# Altium PCB Audio-Beamformer_V1.0.PcbDoc (part 8 of 11) (continued)
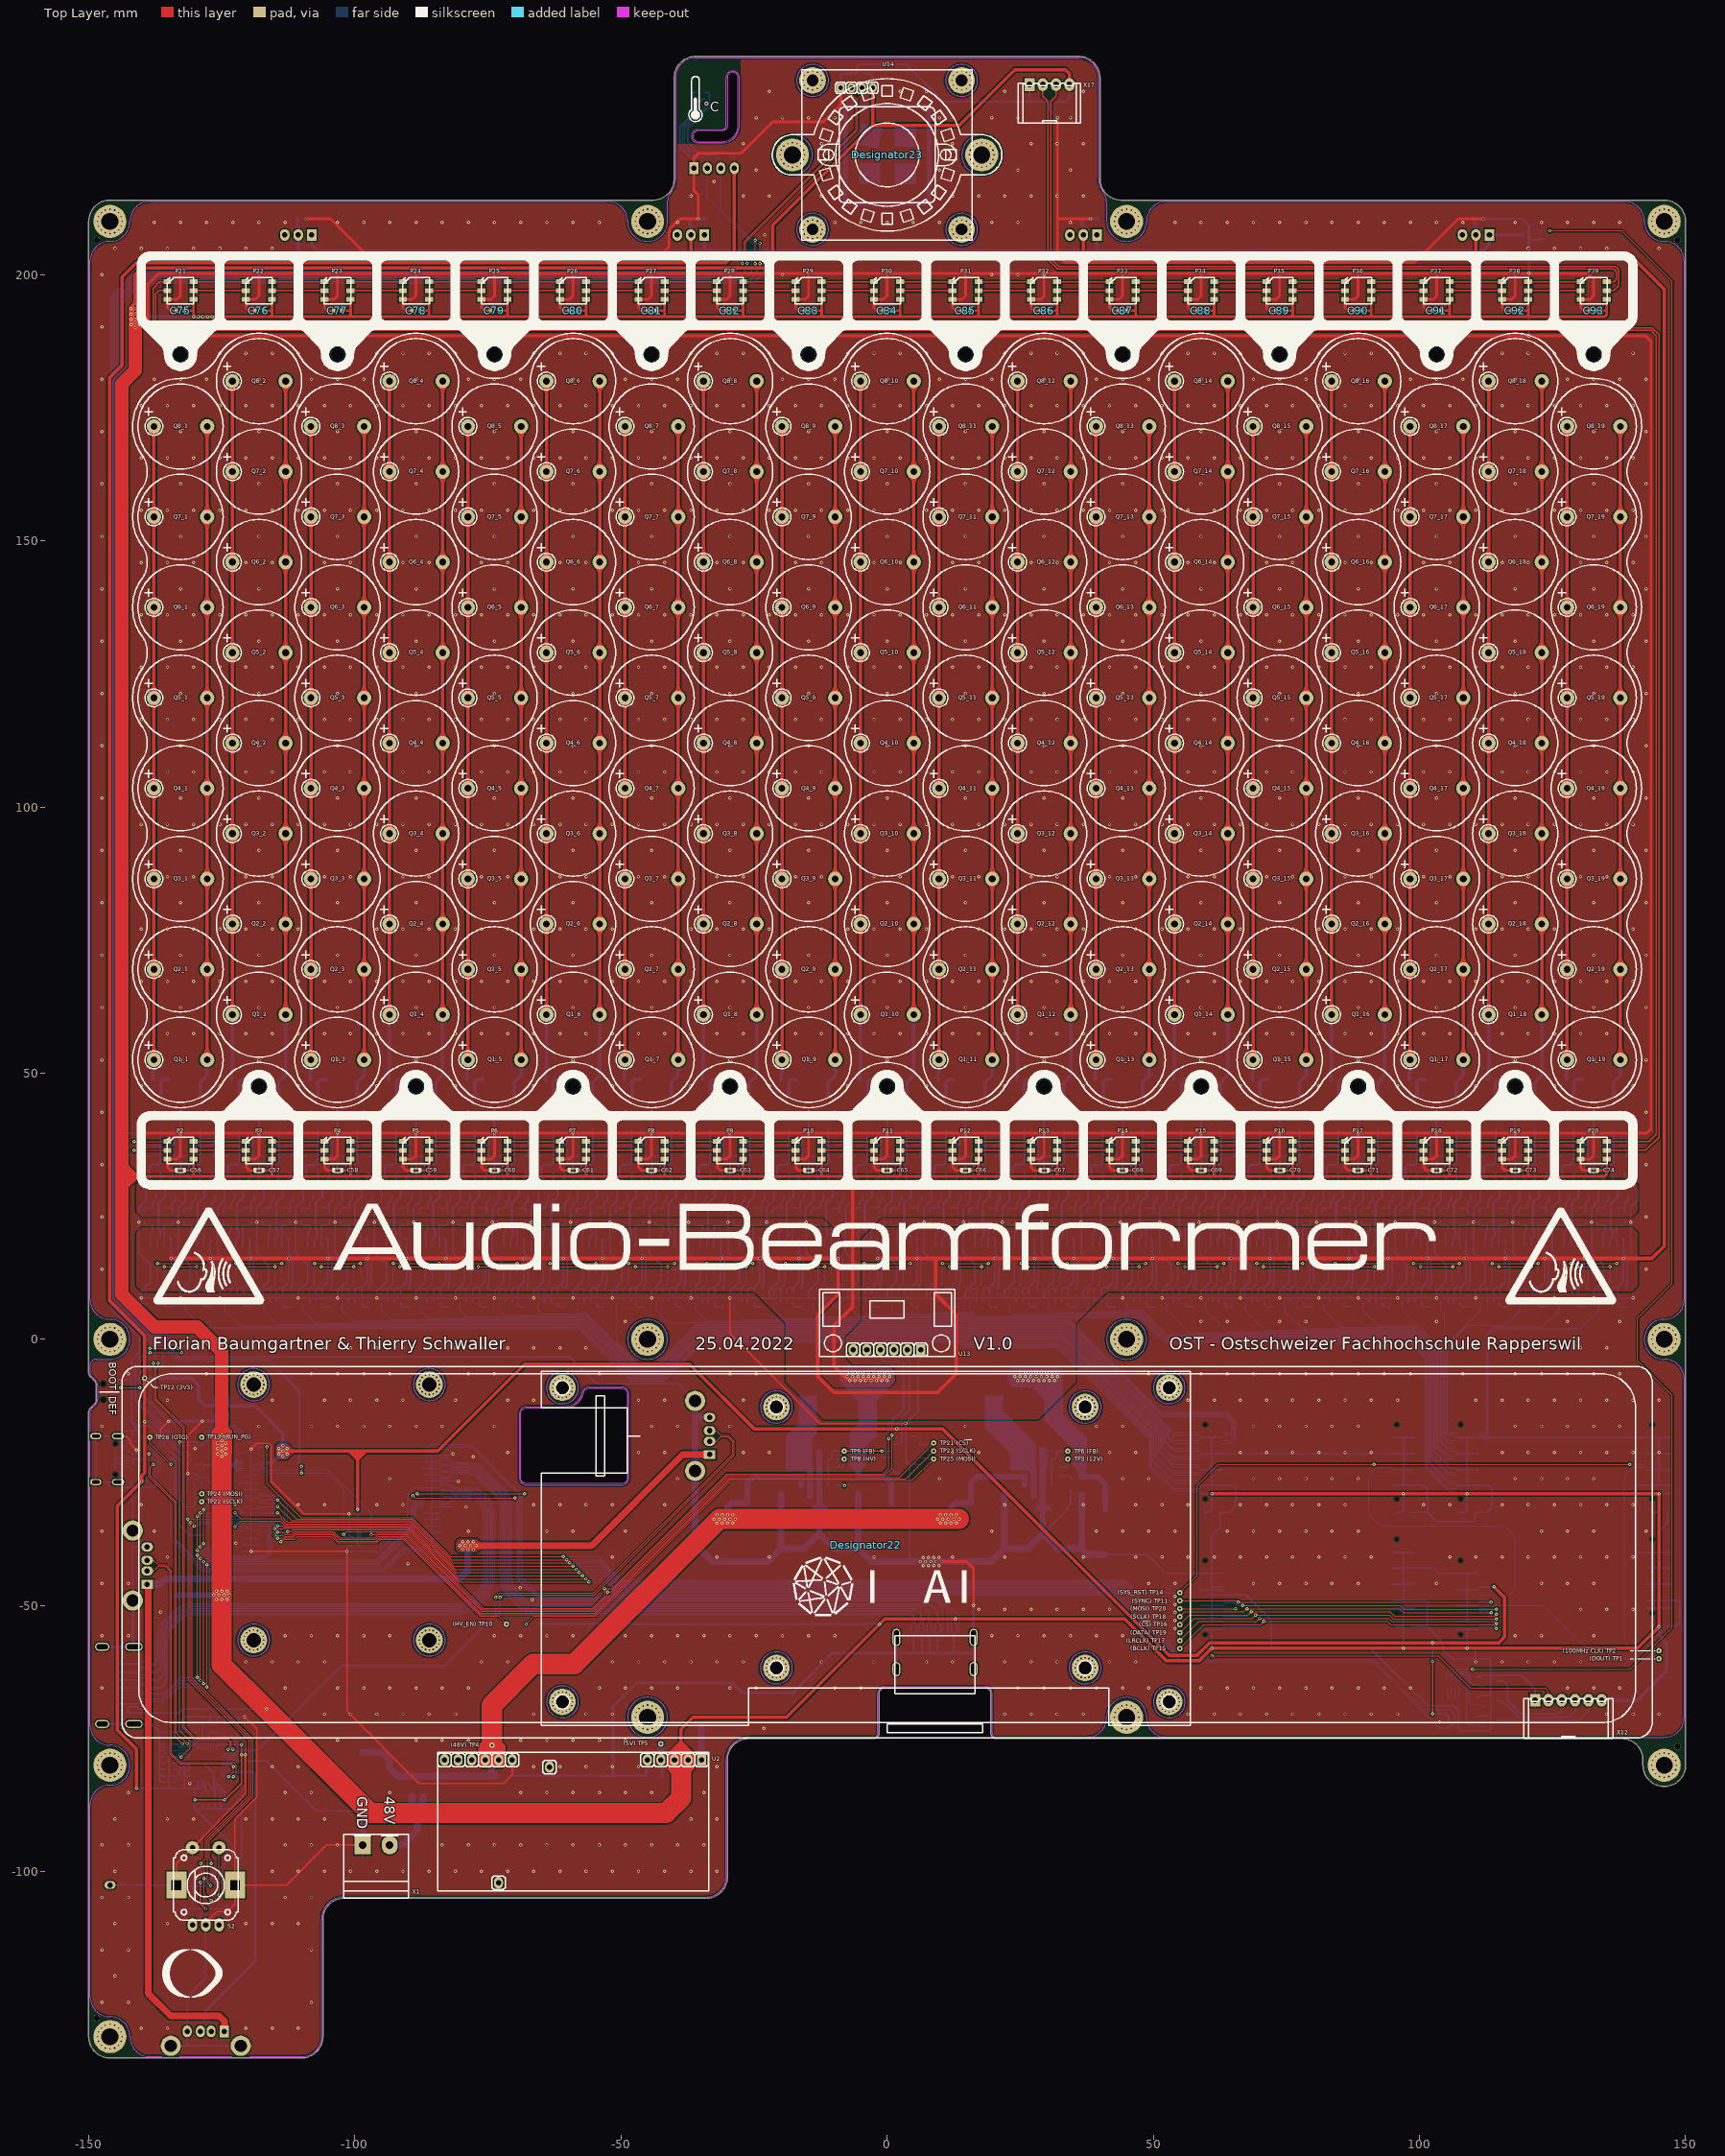
[diagram p0: Top Layer view]
## Nets (pads, with @x,y where several pads share a name; then routed paths per layer and width w, separated by ;. In a path a pad name is that pad's centre, name@x,y a point inside that pad or via, vN(x,y) a via of type N, cw(c..) or ccw(c..) an arc to the next point about the centre after c; other vN are vias at no path point) (continued)
  Bottom Layer w0.25: D5_12.A@33.85,24.62 35.35,24.62 ; R13_12.1@35.35,23.762 35.35,24.62 ; K1_12.G@35.981,27.05 35.981,26.213 35.35,25.581 35.35,24.62
NetD5_12_K: D5_12.K R13_12.2 U6_12.7 | length 6.2
  Bottom Layer w0.25: D5_12.K@33.857,21.387 35.143,21.387 35.35,21.595 R13_12.2@35.35,22.238
  Bottom Layer w0.254: U6_12.7@33.823,17.45 D5_12.K@33.823,21.387
NetD5_13_A: D5_13.A K1_13.G R13_13.1 | length 5
  Bottom Layer w0.25: D5_13.A@48.6,24.62 50.1,24.62 ; R13_13.1@50.1,23.762 50.1,24.62 ; K1_13.G@50.731,27.05 50.731,26.213 50.1,25.581 50.1,24.62
NetD5_13_K: D5_13.K R13_13.2 U6_13.7 | length 6.2
  Bottom Layer w0.25: D5_13.K@48.607,21.387 49.893,21.387 50.1,21.595 R13_13.2@50.1,22.238
  Bottom Layer w0.254: U6_13.7@48.573,17.45 D5_13.K@48.573,21.387
NetD5_14_A: D5_14.A K1_14.G R13_14.1 | length 5
  Bottom Layer w0.25: D5_14.A@63.35,24.62 64.85,24.62 ; R13_14.1@64.85,23.762 64.85,24.62 ; K1_14.G@65.481,27.05 65.481,26.213 64.85,25.581 64.85,24.62
NetD5_14_K: D5_14.K R13_14.2 U6_14.7 | length 6.2
  Bottom Layer w0.25: D5_14.K@63.357,21.387 64.643,21.387 64.85,21.595 R13_14.2@64.85,22.238
  Bottom Layer w0.254: U6_14.7@63.323,17.45 D5_14.K@63.323,21.387
NetD5_15_A: D5_15.A K1_15.G R13_15.1 | length 5
  Bottom Layer w0.25: D5_15.A@78.1,24.62 79.6,24.62 ; R13_15.1@79.6,23.762 79.6,24.62 ; K1_15.G@80.231,27.05 80.231,26.213 79.6,25.581 79.6,24.62
NetD5_15_K: D5_15.K R13_15.2 U6_15.7 | length 6.2
  Bottom Layer w0.25: D5_15.K@78.107,21.387 79.393,21.387 79.6,21.595 R13_15.2@79.6,22.238
  Bottom Layer w0.254: U6_15.7@78.073,17.45 D5_15.K@78.073,21.387
NetD5_16_A: D5_16.A K1_16.G R13_16.1 | length 5
  Bottom Layer w0.25: D5_16.A@92.85,24.62 94.35,24.62 ; R13_16.1@94.35,23.762 94.35,24.62 ; K1_16.G@94.981,27.05 94.981,26.213 94.35,25.581 94.35,24.62
NetD5_16_K: D5_16.K R13_16.2 U6_16.7 | length 6.2
  Bottom Layer w0.25: D5_16.K@92.857,21.387 94.143,21.387 94.35,21.595 R13_16.2@94.35,22.238
  Bottom Layer w0.254: U6_16.7@92.823,17.45 D5_16.K@92.823,21.387
NetD5_17_A: D5_17.A K1_17.G R13_17.1 | length 5
  Bottom Layer w0.25: D5_17.A@107.6,24.62 109.1,24.62 ; R13_17.1@109.1,23.762 109.1,24.62 ; K1_17.G@109.731,27.05 109.731,26.213 109.1,25.581 109.1,24.62
NetD5_17_K: D5_17.K R13_17.2 U6_17.7 | length 6.2
  Bottom Layer w0.25: D5_17.K@107.607,21.387 108.893,21.387 109.1,21.595 R13_17.2@109.1,22.238
  Bottom Layer w0.254: U6_17.7@107.573,17.45 D5_17.K@107.573,21.387
NetD5_18_A: D5_18.A K1_18.G R13_18.1 | length 5
  Bottom Layer w0.25: D5_18.A@122.35,24.62 123.85,24.62 ; R13_18.1@123.85,23.762 123.85,24.62 ; K1_18.G@124.481,27.05 124.481,26.213 123.85,25.581 123.85,24.62
NetD5_18_K: D5_18.K R13_18.2 U6_18.7 | length 6.2
  Bottom Layer w0.25: D5_18.K@122.357,21.387 123.643,21.387 123.85,21.595 R13_18.2@123.85,22.238
  Bottom Layer w0.254: U6_18.7@122.323,17.45 D5_18.K@122.323,21.387
NetD5_19_A: D5_19.A K1_19.G R13_19.1 | length 5
  Bottom Layer w0.25: D5_19.A@137.1,24.62 138.6,24.62 ; R13_19.1@138.6,23.762 138.6,24.62 ; K1_19.G@139.231,27.05 139.231,26.213 138.6,25.581 138.6,24.62
NetD5_19_K: D5_19.K R13_19.2 U6_19.7 | length 6.2
  Bottom Layer w0.25: D5_19.K@137.107,21.387 138.393,21.387 138.6,21.595 R13_19.2@138.6,22.238
  Bottom Layer w0.254: U6_19.7@137.073,17.45 D5_19.K@137.073,21.387
NetD7_1_A: D7_1.A K2_1.G R16_1.1 | length 4.9
  Bottom Layer w0.25: R16_1.1@-132.1,23.762 -132.1,24.406 -131.893,24.613 D7_1.A@-130.607,24.613 ; D7_1.A@-130.6,24.62 -130.538,24.683 -130.538,25.631 -129.956,26.213 K2_1.G@-129.956,27.05
NetD7_1_K: D7_1.K R16_1.2 U6_1.5 | length 6.3
  Bottom Layer w0.25: R16_1.2@-132.1,22.238 -132.1,21.595 -131.893,21.387 D7_1.K@-130.607,21.387
  Bottom Layer w0.254: U6_1.5@-130.967,17.45 -130.967,20.008 -130.6,20.375 D7_1.K@-130.6,21.38
NetD7_2_A: D7_2.A K2_2.G R16_2.1 | length 4.9
  Bottom Layer w0.25: R16_2.1@-117.35,23.762 -117.35,24.406 -117.143,24.613 D7_2.A@-115.857,24.613 ; D7_2.A@-115.85,24.62 -115.788,24.683 -115.788,25.631 -115.206,26.213 K2_2.G@-115.206,27.05
NetD7_2_K: D7_2.K R16_2.2 U6_2.5 | length 6.3
  Bottom Layer w0.25: R16_2.2@-117.35,22.238 -117.35,21.595 -117.143,21.387 D7_2.K@-115.857,21.387
  Bottom Layer w0.254: U6_2.5@-116.217,17.45 -116.217,20.008 -115.85,20.375 D7_2.K@-115.85,21.38
NetD7_3_A: D7_3.A K2_3.G R16_3.1 | length 4.9
  Bottom Layer w0.25: R16_3.1@-102.6,23.762 -102.6,24.406 -102.393,24.613 D7_3.A@-101.107,24.613 ; D7_3.A@-101.1,24.62 -101.038,24.683 -101.038,25.631 -100.456,26.213 K2_3.G@-100.456,27.05
NetD7_3_K: D7_3.K R16_3.2 U6_3.5 | length 6.3
  Bottom Layer w0.25: R16_3.2@-102.6,22.238 -102.6,21.595 -102.393,21.387 D7_3.K@-101.107,21.387
  Bottom Layer w0.254: U6_3.5@-101.467,17.45 -101.467,20.008 -101.1,20.375 D7_3.K@-101.1,21.38
NetD7_4_A: D7_4.A K2_4.G R16_4.1 | length 4.9
  Bottom Layer w0.25: R16_4.1@-87.85,23.762 -87.85,24.406 -87.643,24.613 D7_4.A@-86.357,24.613 ; D7_4.A@-86.35,24.62 -86.288,24.683 -86.288,25.631 -85.706,26.213 K2_4.G@-85.706,27.05
NetD7_4_K: D7_4.K R16_4.2 U6_4.5 | length 6.3
  Bottom Layer w0.25: R16_4.2@-87.85,22.238 -87.85,21.595 -87.643,21.387 D7_4.K@-86.357,21.387
  Bottom Layer w0.254: U6_4.5@-86.717,17.45 -86.717,20.008 -86.35,20.375 D7_4.K@-86.35,21.38
NetD7_5_A: D7_5.A K2_5.G R16_5.1 | length 4.9
  Bottom Layer w0.25: R16_5.1@-73.1,23.762 -73.1,24.406 -72.893,24.613 D7_5.A@-71.607,24.613 ; D7_5.A@-71.6,24.62 -71.537,24.683 -71.537,25.631 -70.956,26.213 K2_5.G@-70.956,27.05
NetD7_5_K: D7_5.K R16_5.2 U6_5.5 | length 6.3
  Bottom Layer w0.25: R16_5.2@-73.1,22.238 -73.1,21.595 -72.893,21.387 D7_5.K@-71.607,21.387
  Bottom Layer w0.254: U6_5.5@-71.967,17.45 -71.967,20.008 -71.6,20.375 D7_5.K@-71.6,21.38
NetD7_6_A: D7_6.A K2_6.G R16_6.1 | length 4.9
  Bottom Layer w0.25: R16_6.1@-58.35,23.762 -58.35,24.406 -58.143,24.613 D7_6.A@-56.857,24.613 ; D7_6.A@-56.85,24.62 -56.788,24.683 -56.788,25.631 -56.206,26.213 K2_6.G@-56.206,27.05
NetD7_6_K: D7_6.K R16_6.2 U6_6.5 | length 6.3
  Bottom Layer w0.25: R16_6.2@-58.35,22.238 -58.35,21.595 -58.143,21.387 D7_6.K@-56.857,21.387
  Bottom Layer w0.254: U6_6.5@-57.217,17.45 -57.217,20.008 -56.85,20.375 D7_6.K@-56.85,21.38
NetD7_7_A: D7_7.A K2_7.G R16_7.1 | length 4.9
  Bottom Layer w0.25: R16_7.1@-43.6,23.762 -43.6,24.406 -43.393,24.613 D7_7.A@-42.107,24.613 ; D7_7.A@-42.1,24.62 -42.038,24.683 -42.038,25.631 -41.456,26.213 K2_7.G@-41.456,27.05
NetD7_7_K: D7_7.K R16_7.2 U6_7.5 | length 6.3
  Bottom Layer w0.25: R16_7.2@-43.6,22.238 -43.6,21.595 -43.393,21.387 D7_7.K@-42.107,21.387
  Bottom Layer w0.254: U6_7.5@-42.467,17.45 -42.467,20.008 -42.1,20.375 D7_7.K@-42.1,21.38
NetD7_8_A: D7_8.A K2_8.G R16_8.1 | length 4.9
  Bottom Layer w0.25: R16_8.1@-28.85,23.762 -28.85,24.406 -28.643,24.613 D7_8.A@-27.357,24.613 ; D7_8.A@-27.35,24.62 -27.288,24.683 -27.288,25.631 -26.706,26.213 K2_8.G@-26.706,27.05
NetD7_8_K: D7_8.K R16_8.2 U6_8.5 | length 6.3
  Bottom Layer w0.25: R16_8.2@-28.85,22.238 -28.85,21.595 -28.643,21.387 D7_8.K@-27.357,21.387
  Bottom Layer w0.254: U6_8.5@-27.717,17.45 -27.717,20.008 -27.35,20.375 D7_8.K@-27.35,21.38
NetD7_9_A: D7_9.A K2_9.G R16_9.1 | length 4.9
  Bottom Layer w0.25: R16_9.1@-14.1,23.762 -14.1,24.406 -13.893,24.613 D7_9.A@-12.607,24.613 ; D7_9.A@-12.6,24.62 -12.538,24.683 -12.538,25.631 -11.956,26.213 K2_9.G@-11.956,27.05
NetD7_9_K: D7_9.K R16_9.2 U6_9.5 | length 6.3
  Bottom Layer w0.25: R16_9.2@-14.1,22.238 -14.1,21.595 -13.893,21.387 D7_9.K@-12.607,21.387
  Bottom Layer w0.254: U6_9.5@-12.967,17.45 -12.967,20.008 -12.6,20.375 D7_9.K@-12.6,21.38
NetD7_10_A: D7_10.A K2_10.G R16_10.1 | length 4.9
  Bottom Layer w0.25: R16_10.1@0.65,23.762 0.65,24.406 0.857,24.613 D7_10.A@2.143,24.613 ; D7_10.A@2.15,24.62 2.213,24.683 2.213,25.631 2.794,26.213 K2_10.G@2.794,27.05
NetD7_10_K: D7_10.K R16_10.2 U6_10.5 | length 6.3
  Bottom Layer w0.25: R16_10.2@0.65,22.238 0.65,21.595 0.857,21.387 D7_10.K@2.143,21.387
  Bottom Layer w0.254: U6_10.5@1.783,17.45 1.783,20.008 2.15,20.375 D7_10.K@2.15,21.38
NetD7_11_A: D7_11.A K2_11.G R16_11.1 | length 4.9
  Bottom Layer w0.25: R16_11.1@15.4,23.762 15.4,24.406 15.607,24.613 D7_11.A@16.893,24.613 ; D7_11.A@16.9,24.62 16.963,24.683 16.963,25.631 17.544,26.213 K2_11.G@17.544,27.05
NetD7_11_K: D7_11.K R16_11.2 U6_11.5 | length 6.3
  Bottom Layer w0.25: R16_11.2@15.4,22.238 15.4,21.595 15.607,21.387 D7_11.K@16.893,21.387
  Bottom Layer w0.254: U6_11.5@16.533,17.45 16.533,20.008 16.9,20.375 D7_11.K@16.9,21.38
NetD7_12_A: D7_12.A K2_12.G R16_12.1 | length 4.9
  Bottom Layer w0.25: R16_12.1@30.15,23.762 30.15,24.406 30.357,24.613 D7_12.A@31.643,24.613 ; D7_12.A@31.65,24.62 31.713,24.683 31.713,25.631 32.294,26.213 K2_12.G@32.294,27.05
NetD7_12_K: D7_12.K R16_12.2 U6_12.5 | length 6.3
  Bottom Layer w0.25: R16_12.2@30.15,22.238 30.15,21.595 30.357,21.387 D7_12.K@31.643,21.387
  Bottom Layer w0.254: U6_12.5@31.283,17.45 31.283,20.008 31.65,20.375 D7_12.K@31.65,21.38
NetD7_13_A: D7_13.A K2_13.G R16_13.1 | length 4.9
  Bottom Layer w0.25: R16_13.1@44.9,23.762 44.9,24.406 45.107,24.613 D7_13.A@46.393,24.613 ; D7_13.A@46.4,24.62 46.463,24.683 46.463,25.631 47.044,26.213 K2_13.G@47.044,27.05
NetD7_13_K: D7_13.K R16_13.2 U6_13.5 | length 6.3
  Bottom Layer w0.25: R16_13.2@44.9,22.238 44.9,21.595 45.107,21.387 D7_13.K@46.393,21.387
  Bottom Layer w0.254: U6_13.5@46.033,17.45 46.033,20.008 46.4,20.375 D7_13.K@46.4,21.38
NetD7_14_A: D7_14.A K2_14.G R16_14.1 | length 4.9
  Bottom Layer w0.25: R16_14.1@59.65,23.762 59.65,24.406 59.857,24.613 D7_14.A@61.143,24.613 ; D7_14.A@61.15,24.62 61.213,24.683 61.213,25.631 61.794,26.213 K2_14.G@61.794,27.05
NetD7_14_K: D7_14.K R16_14.2 U6_14.5 | length 6.3
  Bottom Layer w0.25: R16_14.2@59.65,22.238 59.65,21.595 59.857,21.387 D7_14.K@61.143,21.387
  Bottom Layer w0.254: U6_14.5@60.783,17.45 60.783,20.008 61.15,20.375 D7_14.K@61.15,21.38
NetD7_15_A: D7_15.A K2_15.G R16_15.1 | length 4.9
  Bottom Layer w0.25: R16_15.1@74.4,23.762 74.4,24.406 74.607,24.613 D7_15.A@75.893,24.613 ; D7_15.A@75.9,24.62 75.962,24.683 75.962,25.631 76.544,26.213 K2_15.G@76.544,27.05
NetD7_15_K: D7_15.K R16_15.2 U6_15.5 | length 6.3
  Bottom Layer w0.25: R16_15.2@74.4,22.238 74.4,21.595 74.607,21.387 D7_15.K@75.893,21.387
  Bottom Layer w0.254: U6_15.5@75.533,17.45 75.533,20.008 75.9,20.375 D7_15.K@75.9,21.38
NetD7_16_A: D7_16.A K2_16.G R16_16.1 | length 4.9
  Bottom Layer w0.25: R16_16.1@89.15,23.762 89.15,24.406 89.357,24.613 D7_16.A@90.643,24.613 ; D7_16.A@90.65,24.62 90.713,24.683 90.713,25.631 91.294,26.213 K2_16.G@91.294,27.05
NetD7_16_K: D7_16.K R16_16.2 U6_16.5 | length 6.3
  Bottom Layer w0.25: R16_16.2@89.15,22.238 89.15,21.595 89.357,21.387 D7_16.K@90.643,21.387
  Bottom Layer w0.254: U6_16.5@90.283,17.45 90.283,20.008 90.65,20.375 D7_16.K@90.65,21.38
NetD7_17_A: D7_17.A K2_17.G R16_17.1 | length 4.9
  Bottom Layer w0.25: R16_17.1@103.9,23.762 103.9,24.406 104.107,24.613 D7_17.A@105.393,24.613 ; D7_17.A@105.4,24.62 105.463,24.683 105.463,25.631 106.044,26.213 K2_17.G@106.044,27.05
NetD7_17_K: D7_17.K R16_17.2 U6_17.5 | length 6.3
  Bottom Layer w0.25: R16_17.2@103.9,22.238 103.9,21.595 104.107,21.387 D7_17.K@105.393,21.387
  Bottom Layer w0.254: U6_17.5@105.033,17.45 105.033,20.008 105.4,20.375 D7_17.K@105.4,21.38
NetD7_18_A: D7_18.A K2_18.G R16_18.1 | length 4.9
  Bottom Layer w0.25: R16_18.1@118.65,23.762 118.65,24.406 118.857,24.613 D7_18.A@120.143,24.613 ; D7_18.A@120.15,24.62 120.213,24.683 120.213,25.631 120.794,26.213 K2_18.G@120.794,27.05
NetD7_18_K: D7_18.K R16_18.2 U6_18.5 | length 6.3
  Bottom Layer w0.25: R16_18.2@118.65,22.238 118.65,21.595 118.857,21.387 D7_18.K@120.143,21.387
  Bottom Layer w0.254: U6_18.5@119.783,17.45 119.783,20.008 120.15,20.375 D7_18.K@120.15,21.38
NetD7_19_A: D7_19.A K2_19.G R16_19.1 | length 4.9
  Bottom Layer w0.25: R16_19.1@133.4,23.762 133.4,24.406 133.607,24.613 D7_19.A@134.893,24.613 ; D7_19.A@134.9,24.62 134.963,24.683 134.963,25.631 135.544,26.213 K2_19.G@135.544,27.05
NetD7_19_K: D7_19.K R16_19.2 U6_19.5 | length 6.3
  Bottom Layer w0.25: R16_19.2@133.4,22.238 133.4,21.595 133.607,21.387 D7_19.K@134.893,21.387
  Bottom Layer w0.254: U6_19.5@134.533,17.45 134.533,20.008 134.9,20.375 D7_19.K@134.9,21.38
NetD9_1_A: D9_1.A R17_1.1 | length 2.3
  Bottom Layer w0.254: R17_1.1@-135.625,6.988 -135.625,6.344 -135.411,6.13 D9_1.A@-134.056,6.13
NetD9_2_A: D9_2.A R17_2.1 | length 2.3
  Bottom Layer w0.254: R17_2.1@-120.875,6.988 -120.875,6.344 -120.661,6.13 D9_2.A@-119.306,6.13
NetD9_3_A: D9_3.A R17_3.1 | length 2.3
  Bottom Layer w0.254: R17_3.1@-106.125,6.988 -106.125,6.344 -105.911,6.13 D9_3.A@-104.556,6.13
NetD9_4_A: D9_4.A R17_4.1 | length 2.3
  Bottom Layer w0.254: R17_4.1@-91.375,6.988 -91.375,6.344 -91.161,6.13 D9_4.A@-89.806,6.13
NetD9_5_A: D9_5.A R17_5.1 | length 2.3
  Bottom Layer w0.254: R17_5.1@-76.625,6.988 -76.625,6.344 -76.411,6.13 D9_5.A@-75.056,6.13
NetD9_6_A: D9_6.A R17_6.1 | length 2.3
  Bottom Layer w0.254: R17_6.1@-61.875,6.988 -61.875,6.344 -61.661,6.13 D9_6.A@-60.306,6.13
NetD9_7_A: D9_7.A R17_7.1 | length 2.3
  Bottom Layer w0.254: R17_7.1@-47.125,6.988 -47.125,6.344 -46.911,6.13 D9_7.A@-45.556,6.13
NetD9_8_A: D9_8.A R17_8.1 | length 2.3
  Bottom Layer w0.254: R17_8.1@-32.375,6.988 -32.375,6.344 -32.161,6.13 D9_8.A@-30.806,6.13
NetD9_9_A: D9_9.A R17_9.1 | length 2.3
  Bottom Layer w0.254: R17_9.1@-17.625,6.988 -17.625,6.344 -17.411,6.13 D9_9.A@-16.056,6.13
NetD9_10_A: D9_10.A R17_10.1 | length 2.3
  Bottom Layer w0.254: R17_10.1@-2.875,6.988 -2.875,6.344 -2.661,6.13 D9_10.A@-1.306,6.13
NetD9_11_A: D9_11.A R17_11.1 | length 2.3
  Bottom Layer w0.254: R17_11.1@11.875,6.988 11.875,6.344 12.089,6.13 D9_11.A@13.444,6.13
NetD9_12_A: D9_12.A R17_12.1 | length 2.3
  Bottom Layer w0.254: R17_12.1@26.625,6.988 26.625,6.344 26.839,6.13 D9_12.A@28.194,6.13
NetD9_13_A: D9_13.A R17_13.1 | length 2.3
  Bottom Layer w0.254: R17_13.1@41.375,6.988 41.375,6.344 41.589,6.13 D9_13.A@42.944,6.13
NetD9_14_A: D9_14.A R17_14.1 | length 2.3
  Bottom Layer w0.254: R17_14.1@56.125,6.988 56.125,6.344 56.339,6.13 D9_14.A@57.694,6.13
NetD9_15_A: D9_15.A R17_15.1 | length 2.3
  Bottom Layer w0.254: R17_15.1@70.875,6.988 70.875,6.344 71.089,6.13 D9_15.A@72.444,6.13
NetD9_16_A: D9_16.A R17_16.1 | length 2.3
  Bottom Layer w0.254: R17_16.1@85.625,6.988 85.625,6.344 85.839,6.13 D9_16.A@87.194,6.13
NetD9_17_A: D9_17.A R17_17.1 | length 2.3
  Bottom Layer w0.254: R17_17.1@100.375,6.988 100.375,6.344 100.589,6.13 D9_17.A@101.944,6.13
NetD9_18_A: D9_18.A R17_18.1 | length 2.3
  Bottom Layer w0.254: R17_18.1@115.125,6.988 115.125,6.344 115.339,6.13 D9_18.A@116.694,6.13
NetD9_19_A: D9_19.A R17_19.1 | length 2.3
  Bottom Layer w0.254: R17_19.1@129.875,6.988 129.875,6.344 130.089,6.13 D9_19.A@131.444,6.13
NetD10_1_A: D10_1.A K3_1.G R19_1.1 | length 5
  Bottom Layer w0.25: D10_1.A@-135.775,24.62 -134.275,24.62 ; R19_1.1@-134.275,23.762 -134.275,24.62 ; K3_1.G@-133.644,27.05 -133.644,26.213 -134.275,25.581 -134.275,24.62
NetD10_1_K: D10_1.K R19_1.2 U7_1.7 | length 6.2
  Bottom Layer w0.25: D10_1.K@-135.768,21.387 -134.482,21.387 -134.275,21.595 R19_1.2@-134.275,22.238
  Bottom Layer w0.254: U7_1.7@-135.802,17.45 D10_1.K@-135.802,21.387
NetD10_2_A: D10_2.A K3_2.G R19_2.1 | length 5
  Bottom Layer w0.25: D10_2.A@-121.025,24.62 -119.525,24.62 ; R19_2.1@-119.525,23.762 -119.525,24.62 ; K3_2.G@-118.894,27.05 -118.894,26.213 -119.525,25.581 -119.525,24.62
NetD10_2_K: D10_2.K R19_2.2 U7_2.7 | length 6.2
  Bottom Layer w0.25: D10_2.K@-121.018,21.387 -119.732,21.387 -119.525,21.595 R19_2.2@-119.525,22.238
  Bottom Layer w0.254: U7_2.7@-121.052,17.45 D10_2.K@-121.052,21.387
NetD10_3_A: D10_3.A K3_3.G R19_3.1 | length 5
  Bottom Layer w0.25: D10_3.A@-106.275,24.62 -104.775,24.62 ; R19_3.1@-104.775,23.762 -104.775,24.62 ; K3_3.G@-104.144,27.05 -104.144,26.213 -104.775,25.581 -104.775,24.62
NetD10_3_K: D10_3.K R19_3.2 U7_3.7 | length 6.2
  Bottom Layer w0.25: D10_3.K@-106.268,21.387 -104.982,21.387 -104.775,21.595 R19_3.2@-104.775,22.238
  Bottom Layer w0.254: U7_3.7@-106.302,17.45 D10_3.K@-106.302,21.387
NetD10_4_A: D10_4.A K3_4.G R19_4.1 | length 5
  Bottom Layer w0.25: D10_4.A@-91.525,24.62 -90.025,24.62 ; R19_4.1@-90.025,23.762 -90.025,24.62 ; K3_4.G@-89.394,27.05 -89.394,26.213 -90.025,25.581 -90.025,24.62
NetD10_4_K: D10_4.K R19_4.2 U7_4.7 | length 6.2
  Bottom Layer w0.25: D10_4.K@-91.518,21.387 -90.232,21.387 -90.025,21.595 R19_4.2@-90.025,22.238
  Bottom Layer w0.254: U7_4.7@-91.552,17.45 D10_4.K@-91.552,21.387
NetD10_5_A: D10_5.A K3_5.G R19_5.1 | length 5
  Bottom Layer w0.25: D10_5.A@-76.775,24.62 -75.275,24.62 ; R19_5.1@-75.275,23.762 -75.275,24.62 ; K3_5.G@-74.644,27.05 -74.644,26.213 -75.275,25.581 -75.275,24.62
NetD10_5_K: D10_5.K R19_5.2 U7_5.7 | length 6.2
  Bottom Layer w0.25: D10_5.K@-76.768,21.387 -75.482,21.387 -75.275,21.595 R19_5.2@-75.275,22.238
  Bottom Layer w0.254: U7_5.7@-76.802,17.45 D10_5.K@-76.802,21.387
NetD10_6_A: D10_6.A K3_6.G R19_6.1 | length 5
  Bottom Layer w0.25: D10_6.A@-62.025,24.62 -60.525,24.62 ; R19_6.1@-60.525,23.762 -60.525,24.62 ; K3_6.G@-59.894,27.05 -59.894,26.213 -60.525,25.581 -60.525,24.62
NetD10_6_K: D10_6.K R19_6.2 U7_6.7 | length 6.2
  Bottom Layer w0.25: D10_6.K@-62.018,21.387 -60.732,21.387 -60.525,21.595 R19_6.2@-60.525,22.238
  Bottom Layer w0.254: U7_6.7@-62.052,17.45 D10_6.K@-62.052,21.387
NetD10_7_A: D10_7.A K3_7.G R19_7.1 | length 5
  Bottom Layer w0.25: D10_7.A@-47.275,24.62 -45.775,24.62 ; R19_7.1@-45.775,23.762 -45.775,24.62 ; K3_7.G@-45.144,27.05 -45.144,26.213 -45.775,25.581 -45.775,24.62
NetD10_7_K: D10_7.K R19_7.2 U7_7.7 | length 6.2
  Bottom Layer w0.25: D10_7.K@-47.268,21.387 -45.982,21.387 -45.775,21.595 R19_7.2@-45.775,22.238
  Bottom Layer w0.254: U7_7.7@-47.302,17.45 D10_7.K@-47.302,21.387
NetD10_8_A: D10_8.A K3_8.G R19_8.1 | length 5
  Bottom Layer w0.25: D10_8.A@-32.525,24.62 -31.025,24.62 ; R19_8.1@-31.025,23.762 -31.025,24.62 ; K3_8.G@-30.394,27.05 -30.394,26.213 -31.025,25.581 -31.025,24.62
NetD10_8_K: D10_8.K R19_8.2 U7_8.7 | length 6.2
  Bottom Layer w0.25: D10_8.K@-32.518,21.387 -31.232,21.387 -31.025,21.595 R19_8.2@-31.025,22.238
  Bottom Layer w0.254: U7_8.7@-32.552,17.45 D10_8.K@-32.552,21.387
NetD10_9_A: D10_9.A K3_9.G R19_9.1 | length 5
  Bottom Layer w0.25: D10_9.A@-17.775,24.62 -16.275,24.62 ; R19_9.1@-16.275,23.762 -16.275,24.62 ; K3_9.G@-15.644,27.05 -15.644,26.213 -16.275,25.581 -16.275,24.62
NetD10_9_K: D10_9.K R19_9.2 U7_9.7 | length 6.2
  Bottom Layer w0.25: D10_9.K@-17.768,21.387 -16.482,21.387 -16.275,21.595 R19_9.2@-16.275,22.238
  Bottom Layer w0.254: U7_9.7@-17.802,17.45 D10_9.K@-17.802,21.387
NetD10_10_A: D10_10.A K3_10.G R19_10.1 | length 5
  Bottom Layer w0.25: D10_10.A@-3.025,24.62 -1.525,24.62 ; R19_10.1@-1.525,23.762 -1.525,24.62 ; K3_10.G@-0.894,27.05 -0.894,26.213 -1.525,25.581 -1.525,24.62
NetD10_10_K: D10_10.K R19_10.2 U7_10.7 | length 6.2
  Bottom Layer w0.25: D10_10.K@-3.018,21.387 -1.732,21.387 -1.525,21.595 R19_10.2@-1.525,22.238
  Bottom Layer w0.254: U7_10.7@-3.052,17.45 D10_10.K@-3.052,21.387
NetD10_11_A: D10_11.A K3_11.G R19_11.1 | length 5
  Bottom Layer w0.25: D10_11.A@11.725,24.62 13.225,24.62 ; R19_11.1@13.225,23.762 13.225,24.62 ; K3_11.G@13.856,27.05 13.856,26.213 13.225,25.581 13.225,24.62
NetD10_11_K: D10_11.K R19_11.2 U7_11.7 | length 6.2
  Bottom Layer w0.25: D10_11.K@11.732,21.387 13.018,21.387 13.225,21.595 R19_11.2@13.225,22.238
  Bottom Layer w0.254: U7_11.7@11.698,17.45 D10_11.K@11.698,21.387
NetD10_12_A: D10_12.A K3_12.G R19_12.1 | length 5
  Bottom Layer w0.25: D10_12.A@26.475,24.62 27.975,24.62 ; R19_12.1@27.975,23.762 27.975,24.62 ; K3_12.G@28.606,27.05 28.606,26.213 27.975,25.581 27.975,24.62
NetD10_12_K: D10_12.K R19_12.2 U7_12.7 | length 6.2
  Bottom Layer w0.25: D10_12.K@26.482,21.387 27.768,21.387 27.975,21.595 R19_12.2@27.975,22.238
  Bottom Layer w0.254: U7_12.7@26.448,17.45 D10_12.K@26.448,21.387
NetD10_13_A: D10_13.A K3_13.G R19_13.1 | length 5
  Bottom Layer w0.25: D10_13.A@41.225,24.62 42.725,24.62 ; R19_13.1@42.725,23.762 42.725,24.62 ; K3_13.G@43.356,27.05 43.356,26.213 42.725,25.581 42.725,24.62
NetD10_13_K: D10_13.K R19_13.2 U7_13.7 | length 6.2
  Bottom Layer w0.25: D10_13.K@41.232,21.387 42.518,21.387 42.725,21.595 R19_13.2@42.725,22.238
  Bottom Layer w0.254: U7_13.7@41.198,17.45 D10_13.K@41.198,21.387
NetD10_14_A: D10_14.A K3_14.G R19_14.1 | length 5
  Bottom Layer w0.25: D10_14.A@55.975,24.62 57.475,24.62 ; R19_14.1@57.475,23.762 57.475,24.62 ; K3_14.G@58.106,27.05 58.106,26.213 57.475,25.581 57.475,24.62
NetD10_14_K: D10_14.K R19_14.2 U7_14.7 | length 6.2
  Bottom Layer w0.25: D10_14.K@55.982,21.387 57.268,21.387 57.475,21.595 R19_14.2@57.475,22.238
  Bottom Layer w0.254: U7_14.7@55.948,17.45 D10_14.K@55.948,21.387
NetD10_15_A: D10_15.A K3_15.G R19_15.1 | length 5
  Bottom Layer w0.25: D10_15.A@70.725,24.62 72.225,24.62 ; R19_15.1@72.225,23.762 72.225,24.62 ; K3_15.G@72.856,27.05 72.856,26.213 72.225,25.581 72.225,24.62
NetD10_15_K: D10_15.K R19_15.2 U7_15.7 | length 6.2
  Bottom Layer w0.25: D10_15.K@70.732,21.387 72.018,21.387 72.225,21.595 R19_15.2@72.225,22.238
  Bottom Layer w0.254: U7_15.7@70.698,17.45 D10_15.K@70.698,21.387
NetD10_16_A: D10_16.A K3_16.G R19_16.1 | length 5
  Bottom Layer w0.25: D10_16.A@85.475,24.62 86.975,24.62 ; R19_16.1@86.975,23.762 86.975,24.62 ; K3_16.G@87.606,27.05 87.606,26.213 86.975,25.581 86.975,24.62
NetD10_16_K: D10_16.K R19_16.2 U7_16.7 | length 6.2
  Bottom Layer w0.25: D10_16.K@85.482,21.387 86.768,21.387 86.975,21.595 R19_16.2@86.975,22.238
  Bottom Layer w0.254: U7_16.7@85.448,17.45 D10_16.K@85.448,21.387
NetD10_17_A: D10_17.A K3_17.G R19_17.1 | length 5
  Bottom Layer w0.25: D10_17.A@100.225,24.62 101.725,24.62 ; R19_17.1@101.725,23.762 101.725,24.62 ; K3_17.G@102.356,27.05 102.356,26.213 101.725,25.581 101.725,24.62
NetD10_17_K: D10_17.K R19_17.2 U7_17.7 | length 6.2
  Bottom Layer w0.25: D10_17.K@100.232,21.387 101.518,21.387 101.725,21.595 R19_17.2@101.725,22.238
  Bottom Layer w0.254: U7_17.7@100.198,17.45 D10_17.K@100.198,21.387
NetD10_18_A: D10_18.A K3_18.G R19_18.1 | length 5
  Bottom Layer w0.25: D10_18.A@114.975,24.62 116.475,24.62 ; R19_18.1@116.475,23.762 116.475,24.62 ; K3_18.G@117.106,27.05 117.106,26.213 116.475,25.581 116.475,24.62
NetD10_18_K: D10_18.K R19_18.2 U7_18.7 | length 6.2
  Bottom Layer w0.25: D10_18.K@114.982,21.387 116.268,21.387 116.475,21.595 R19_18.2@116.475,22.238
  Bottom Layer w0.254: U7_18.7@114.948,17.45 D10_18.K@114.948,21.387
NetD10_19_A: D10_19.A K3_19.G R19_19.1 | length 5
  Bottom Layer w0.25: D10_19.A@129.725,24.62 131.225,24.62 ; R19_19.1@131.225,23.762 131.225,24.62 ; K3_19.G@131.856,27.05 131.856,26.213 131.225,25.581 131.225,24.62
NetD10_19_K: D10_19.K R19_19.2 U7_19.7 | length 6.2
  Bottom Layer w0.25: D10_19.K@129.732,21.387 131.018,21.387 131.225,21.595 R19_19.2@131.225,22.238
  Bottom Layer w0.254: U7_19.7@129.698,17.45 D10_19.K@129.698,21.387
NetD12_1_A: D12_1.A K4_1.G R23_1.1 | length 4.9
  Bottom Layer w0.25: R23_1.1@-139.475,23.762 -139.475,24.406 -139.268,24.613 D12_1.A@-137.982,24.613 ; D12_1.A@-137.975,24.62 -137.913,24.683 -137.913,25.631 -137.331,26.213 K4_1.G@-137.331,27.05
NetD12_1_K: D12_1.K R23_1.2 U7_1.5 | length 6.3
  Bottom Layer w0.25: R23_1.2@-139.475,22.238 -139.475,21.595 -139.268,21.387 D12_1.K@-137.982,21.387
  Bottom Layer w0.254: U7_1.5@-138.342,17.45 -138.342,20.008 -137.975,20.375 D12_1.K@-137.975,21.38
NetD12_2_A: D12_2.A K4_2.G R23_2.1 | length 4.9
  Bottom Layer w0.25: R23_2.1@-124.725,23.762 -124.725,24.406 -124.518,24.613 D12_2.A@-123.232,24.613 ; D12_2.A@-123.225,24.62 -123.162,24.683 -123.162,25.631 -122.581,26.213 K4_2.G@-122.581,27.05
NetD12_2_K: D12_2.K R23_2.2 U7_2.5 | length 6.3
  Bottom Layer w0.25: R23_2.2@-124.725,22.238 -124.725,21.595 -124.518,21.387 D12_2.K@-123.232,21.387
  Bottom Layer w0.254: U7_2.5@-123.592,17.45 -123.592,20.008 -123.225,20.375 D12_2.K@-123.225,21.38
NetD12_3_A: D12_3.A K4_3.G R23_3.1 | length 4.9
  Bottom Layer w0.25: R23_3.1@-109.975,23.762 -109.975,24.406 -109.768,24.613 D12_3.A@-108.482,24.613 ; D12_3.A@-108.475,24.62 -108.413,24.683 -108.413,25.631 -107.831,26.213 K4_3.G@-107.831,27.05
NetD12_3_K: D12_3.K R23_3.2 U7_3.5 | length 6.3
  Bottom Layer w0.25: R23_3.2@-109.975,22.238 -109.975,21.595 -109.768,21.387 D12_3.K@-108.482,21.387
  Bottom Layer w0.254: U7_3.5@-108.842,17.45 -108.842,20.008 -108.475,20.375 D12_3.K@-108.475,21.38
NetD12_4_A: D12_4.A K4_4.G R23_4.1 | length 4.9
  Bottom Layer w0.25: R23_4.1@-95.225,23.762 -95.225,24.406 -95.018,24.613 D12_4.A@-93.732,24.613 ; D12_4.A@-93.725,24.62 -93.663,24.683 -93.663,25.631 -93.081,26.213 K4_4.G@-93.081,27.05
NetD12_4_K: D12_4.K R23_4.2 U7_4.5 | length 6.3
  Bottom Layer w0.25: R23_4.2@-95.225,22.238 -95.225,21.595 -95.018,21.387 D12_4.K@-93.732,21.387
  Bottom Layer w0.254: U7_4.5@-94.092,17.45 -94.092,20.008 -93.725,20.375 D12_4.K@-93.725,21.38
NetD12_5_A: D12_5.A K4_5.G R23_5.1 | length 4.9
  Bottom Layer w0.25: R23_5.1@-80.475,23.762 -80.475,24.406 -80.268,24.613 D12_5.A@-78.982,24.613 ; D12_5.A@-78.975,24.62 -78.912,24.683 -78.912,25.631 -78.331,26.213 K4_5.G@-78.331,27.05
NetD12_5_K: D12_5.K R23_5.2 U7_5.5 | length 6.3
  Bottom Layer w0.25: R23_5.2@-80.475,22.238 -80.475,21.595 -80.268,21.387 D12_5.K@-78.982,21.387
  Bottom Layer w0.254: U7_5.5@-79.342,17.45 -79.342,20.008 -78.975,20.375 D12_5.K@-78.975,21.38
NetD12_6_A: D12_6.A K4_6.G R23_6.1 | length 4.9
  Bottom Layer w0.25: R23_6.1@-65.725,23.762 -65.725,24.406 -65.518,24.613 D12_6.A@-64.232,24.613 ; D12_6.A@-64.225,24.62 -64.163,24.683 -64.163,25.631 -63.581,26.213 K4_6.G@-63.581,27.05
NetD12_6_K: D12_6.K R23_6.2 U7_6.5 | length 6.3
  Bottom Layer w0.25: R23_6.2@-65.725,22.238 -65.725,21.595 -65.518,21.387 D12_6.K@-64.232,21.387
  Bottom Layer w0.254: U7_6.5@-64.592,17.45 -64.592,20.008 -64.225,20.375 D12_6.K@-64.225,21.38
NetD12_7_A: D12_7.A K4_7.G R23_7.1 | length 4.9
  Bottom Layer w0.25: R23_7.1@-50.975,23.762 -50.975,24.406 -50.768,24.613 D12_7.A@-49.482,24.613 ; D12_7.A@-49.475,24.62 -49.412,24.683 -49.412,25.631 -48.831,26.213 K4_7.G@-48.831,27.05
NetD12_7_K: D12_7.K R23_7.2 U7_7.5 | length 6.3
  Bottom Layer w0.25: R23_7.2@-50.975,22.238 -50.975,21.595 -50.768,21.387 D12_7.K@-49.482,21.387
  Bottom Layer w0.254: U7_7.5@-49.842,17.45 -49.842,20.008 -49.475,20.375 D12_7.K@-49.475,21.38
NetD12_8_A: D12_8.A K4_8.G R23_8.1 | length 4.9
  Bottom Layer w0.25: R23_8.1@-36.225,23.762 -36.225,24.406 -36.018,24.613 D12_8.A@-34.732,24.613 ; D12_8.A@-34.725,24.62 -34.663,24.683 -34.663,25.631 -34.081,26.213 K4_8.G@-34.081,27.05
NetD12_8_K: D12_8.K R23_8.2 U7_8.5 | length 6.3
  Bottom Layer w0.25: R23_8.2@-36.225,22.238 -36.225,21.595 -36.018,21.387 D12_8.K@-34.732,21.387
  Bottom Layer w0.254: U7_8.5@-35.092,17.45 -35.092,20.008 -34.725,20.375 D12_8.K@-34.725,21.38